# KiCad board AOML_AB_3.0_reorganized-v1.kicad_pcb (continued)
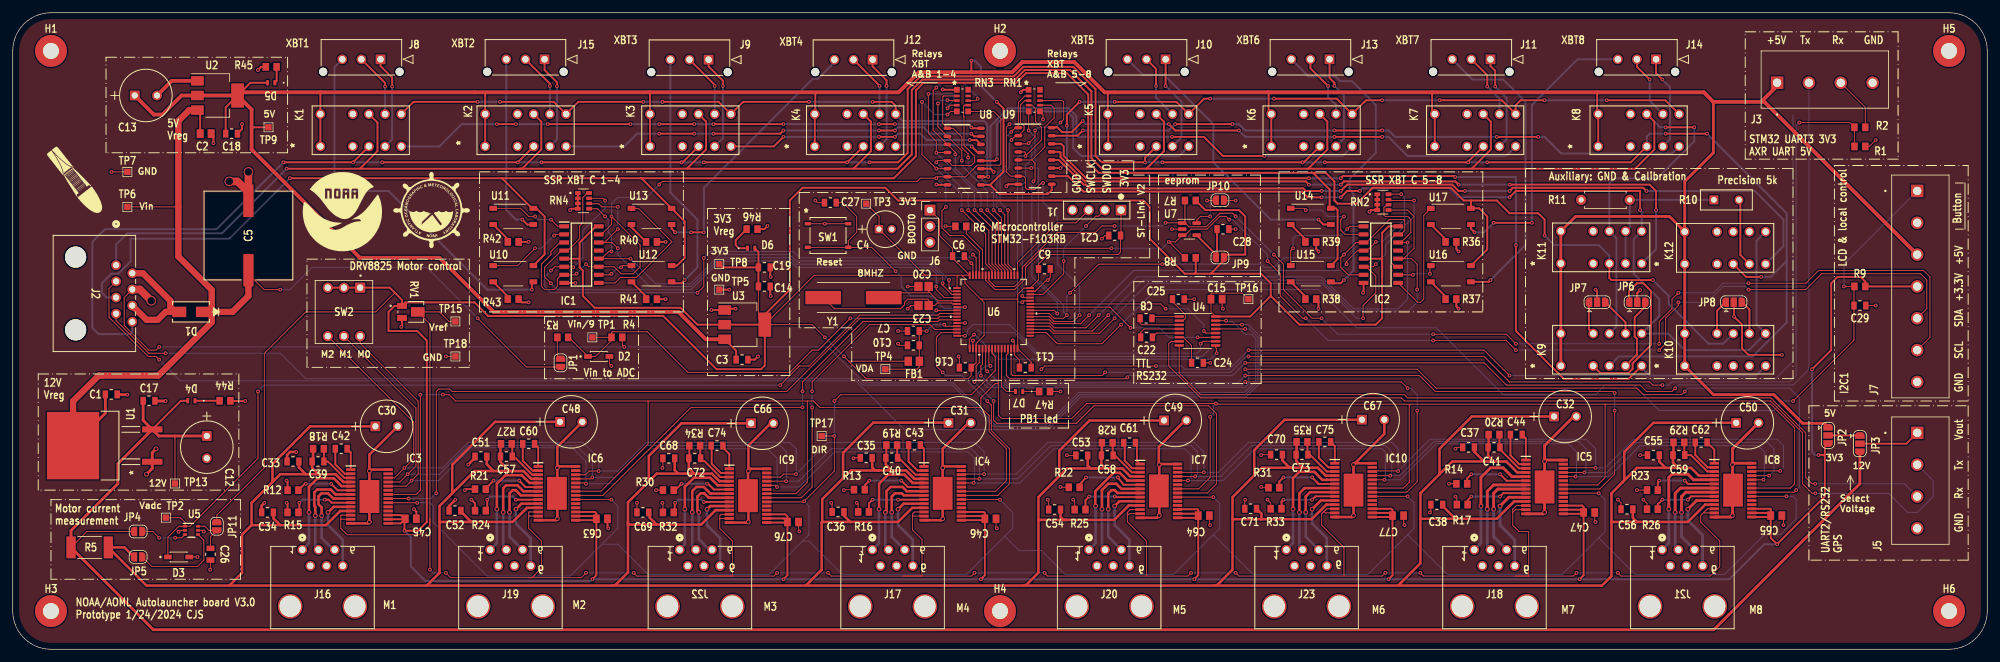
[diagram p0: board, top side]
## Library data of the parts (continued)
U6 = -: Description: STMicroelectronics Arm Cortex-M3 MCU, 128KB flash, 20KB RAM, 72 MHz, 2.0-3.6V, 51 GPIO, LQFP64; Cost: 7.5; Digikey: https://www.digikey.com/en/products/detail/stmicroelectronics/STM32F103RBT6TR/2122443; Part: STM32F103RBT6TR
U7 = -: Description: I2C Serial EEPROM, 1Kb (128x8) with Unique Serial Number, SOT-23-5; Cost: 0.16; Digikey: https://www.digikey.com/en/products/detail/microchip-technology/AT24C01D-STUM-T/4914368
U8 U9 = -: Description: High Voltage, High Current Darlington Transistor Arrays, SOIC16/SOIC16W/DIP16/TSSOP16; Cost: 0.46; Digikey: https://www.digikey.com/en/products/detail/texas-instruments/ULN2003ADR/277011?s=N4IgTCBcDa4JwDYC0BGAzAgHKpA5AIiALoC%2BQA; Field7: Designator9
U10-U17 = -: Description: MOSFET Photorelay 1-Form-A, Voff 60V, Ion 100mA, SOP6; Cost: 1.28; Digikey: https://www.digikey.com/en/products/detail/toshiba-semiconductor-and-storage/TLP170AM-TPL-E/12698771; Part: TLP170AM(TPL,E
Y1 = -: Description: Two pin crystal; Cost: 0.17; Digikey: https://www.digikey.com/en/products/detail/abracon-llc/ABLS-8-000MHZ-20-B-3-H-T/9997852; Part: ABLS-8.000MHZ-20-B-3-H-T

## Footprints (pads in the part's own frame, mm; a bottom-side part is the same pattern mirrored in y, then rotated)
CAP_CL21_SAM
  rect 0.856x1.25 smd: 1(-0.928,0) 2(0.928,0)
CAP_CL_21_SAM
  rect 1.067x1.346 smd: 1(-0.876,0) 2(0.876,0)
CAP_EEV_H13_PAN
  rect 5.105x1.6 smd: 1(-5.461,0) 2(5.461,0)
CAP_WCAP-ATG5_05.0X11.0_WRE
  rect 1.321x1.321 hole 0.813: 1(0,0)
  round 1.321 hole 0.813: 2(2,0)
CAPC2012X135N
  rect 1.1x1.38 smd: 1(-0.863,0) 2(0.863,0)
CAPC220145_88N_KEM
  rect 1.306x1.45 smd: 1(-0.803,0) 2(0.803,0)
CON_436500315_MOL
  round 1.27 hole 1.27 unplated: (-9,-1.96) (3,-1.96)
  rect 1.52x1.52 hole 1.02: 1(0,0)
  round 1.52 hole 1.02: 2(-3,0) 3(-6,0)
CONN_216548-1_TYC
  round 1.524 hole 1.016: 1(0,0) 2(1.27,2.54) 3(2.54,0) 4(3.81,2.54) 5(5.08,0) 6(6.35,2.54)
  round 3.861 hole 3.353: 7(-1.905,8.89) 8(8.255,8.89)
CONN_216550-1_TEC
  round 3.327 hole 3.327 unplated: (-1.27,-6.36) (10.16,-6.36)
  round 1.524 hole 0.965: 1(0,0) 2(1.27,2.54) 3(2.54,0) 4(3.81,2.54) 5(5.08,0) 6(6.35,2.54) 7(7.62,0) 8(8.89,2.54)
CONN_61300411121_WRE
  rect 1.651x1.651 hole 1.143: 1(0,0)
  round 1.651 hole 1.143: 2(2.54,0) 3(5.08,0) 4(7.62,0)
CR_SMA_320-340AE_DIO
  rect 2.184x1.626 smd: 1(-1.854,0) 2(1.854,0)
CUI_TB001-500-04BE
  rect 1.95x1.95 hole 1.3: 1(0,0)
  round 1.95 hole 1.3: 2(5,0) 3(10,0) 4(15,0)
CUI_TB001-500-07BE
  rect 1.95x1.95 hole 1.3: 1(0,0)
  round 1.95 hole 1.3: 2(5,0) 3(10,0) 4(15,0) 5(20,0) 6(25,0) 7(30,0)
D0016A_L
  oval 1.25x0.55 smd: 1(-2.625,4.445) 2(-2.625,3.175) 3(-2.625,1.905) 4(-2.625,0.635) 5(-2.625,-0.635) 6(-2.625,-1.905) 7(-2.625,-3.175) 8(-2.625,-4.445) 9(2.625,-4.445) 10(2.625,-3.175) 11(2.625,-1.905) 12(2.625,-0.635) 13(2.625,0.635) 14(2.625,1.905) 15(2.625,3.175) 16(2.625,4.445)
DCK0006A_L
  rect 0.65x0.4 smd: 1(-1.025,0.65) 2(-1.025,0) 3(-1.025,-0.65) 4(1.025,-0.65) 5(1.025,0) 6(1.025,0.65)
DPAK_BD2T-TR_STM
  rect 0.94x3.2 smd: 1(-2.54,-9.855) 2(2.54,-9.855)
  rect 10.592x8.204 smd: 3(0,2.578)
IND_25_0805_FRT
  rect 1.168x1.448 smd: 1(-0.876,0) 2(0.876,0)
LED_B1911PG--20D000514U1930_HVK
  rect 0.457x0.813 smd: 1(-0.572,0) 2(0.572,0)
LQFP64-10x10mm
  rect 1.194x0.305 smd: 1(-5.75,3.75) 2(-5.75,3.25) 3(-5.75,2.75) 4(-5.75,2.25) 5(-5.75,1.75) 6(-5.75,1.25) 7(-5.75,0.75) 8(-5.75,0.25) 9(-5.75,-0.25) 10(-5.75,-0.75) 11(-5.75,-1.25) 12(-5.75,-1.75) 13(-5.75,-2.25) 14(-5.75,-2.75) 15(-5.75,-3.25) 16(-5.75,-3.75) 33(5.75,-3.75) 34(5.75,-3.25) 35(5.75,-2.75) 36(5.75,-2.25) 37(5.75,-1.75) 38(5.75,-1.25) 39(5.75,-0.75) 40(5.75,-0.25) 41(5.75,0.25) 42(5.75,0.75) 43(5.75,1.25) 44(5.75,1.75) 45(5.75,2.25) 46(5.75,2.75) 47(5.75,3.25) 48(5.75,3.75)
  rect 0.305x1.194 smd: 17(-3.75,-5.75) 18(-3.25,-5.75) 19(-2.75,-5.75) 20(-2.25,-5.75) 21(-1.75,-5.75) 22(-1.25,-5.75) 23(-0.75,-5.75) 24(-0.25,-5.75) 25(0.25,-5.75) 26(0.75,-5.75) 27(1.25,-5.75) 28(1.75,-5.75) 29(2.25,-5.75) 30(2.75,-5.75) 31(3.25,-5.75) 32(3.75,-5.75) 49(3.75,5.75) 50(3.25,5.75) 51(2.75,5.75) 52(2.25,5.75) 53(1.75,5.75) 54(1.25,5.75) 55(0.75,5.75) 56(0.25,5.75) 57(-0.25,5.75) 58(-0.75,5.75) 59(-1.25,5.75) 60(-1.75,5.75) 61(-2.25,5.75) 62(-2.75,5.75) 63(-3.25,5.75) 64(-3.75,5.75)
MFSOP6-4_4.4x3.6mm_P1.27mm
  rect 1.2x0.8 smd: 1(-3.15,1.27) 3(-3.15,-1.27) 4(3.15,-1.27) 6(3.15,1.27)
MountingHole_2.5mm_Pad
  round 5 hole 2.5: 1(0,0)
PCAP_8x112_PAN
  rect 1.524x1.524 hole 0.965: 1(0,0)
  round 1.524 hole 0.965: 2(3.505,0)
PinHeader_1x03_P2.54mm_Vertical
  rect 1.7x1.7 hole 1: 1(0,0)
  oval 1.7x1.7 hole 1: 2(0,-2.54) 3(0,-5.08)
POT_TC33_3X3P8_BRN
  rect 0.94x1.549 smd: 1(-0.95,-1.384) 3(0.95,-1.384)
  rect 1.499x2.134 smd: 2(0,1.092)
R_Axial_DIN0207_L6.3mm_D2.5mm_P7.62mm_Horizontal
  round 1.6 hole 0.8: 1(0,0)
  oval 1.6x1.6 hole 0.8: 2(7.62,0)
RC0805N_YAG
  rect 1.016x1.219 smd: 1(-0.851,0) 2(0.851,0)
RELAY_TX2_L2_PAN
  round 1.524 hole 1.016: 1(0,0) 3(0,-5.08) 4(0,-7.62) 5(0,-10.16) 6(0,-12.7) 7(5.08,-12.7) 8(5.08,-10.16) 9(5.08,-7.62) 10(5.08,-5.08) 12(5.08,0)
RESC6331X89N
  rect 1.46x3.44 smd: 1(-2.926,0) 2(2.926,0)
RESCAXS80P320X160X70-8N
  rrect 0.9x0.61 smd: 1(-0.885,1.24) 4(-0.885,-1.24) 5(0.885,-1.24) 8(0.885,1.24)
  rrect 0.9x0.53 smd: 2(-0.885,0.4) 3(-0.885,-0.4) 6(0.885,-0.4) 7(0.885,0.4)
SMT_FS
  rect 0.953x0.559 smd: 1(-3.181,1.854) 2(3.181,1.854) 3(-3.181,-1.854) 4(3.181,-1.854)
SMT_JR-0710KL_YAG
  rect 0.889x0.914 smd: 1(-0.889,1.702) 5(-0.889,-1.702) 6(0.889,-1.702) 10(0.889,1.702)
  rect 0.889x0.406 smd: 2(-0.889,0.724) 3(-0.889,0) 4(-0.889,-0.724) 7(0.889,-0.724) 8(0.889,0) 9(0.889,0.724)
SOD3715X135N
  rect 1.21x0.73 smd: A(1.68,0) K(-1.68,0)
SOIC127P600X175-16N
  rect 1.525x0.65 smd: 1(-2.712,4.445) 2(-2.712,3.175) 3(-2.712,1.905) 4(-2.712,0.635) 5(-2.712,-0.635) 6(-2.712,-1.905) 7(-2.712,-3.175) 8(-2.712,-4.445) 9(2.712,-4.445) 10(2.712,-3.175) 11(2.712,-1.905) 12(2.712,-0.635) 13(2.712,0.635) 14(2.712,1.905) 15(2.712,3.175) 16(2.712,4.445)
SolderJumper-2_P1.3mm_Open_RoundedPad1.0x1.5mm
  custom 1x1.5 smd: 1(-0.65,0) 2(0.65,0)
SolderJumper-3_P1.3mm_Open_RoundedPad1.0x1.5mm
  custom 1.05x1.5 smd: 1(-1.3,0) 3(1.3,0)
  rect 1x1.5 smd: 2(0,0)
SOP65P640X120-29N
  rect 1.475x0.45 smd: 1(-2.938,4.225) 2(-2.938,3.575) 3(-2.938,2.925) 4(-2.938,2.275) 5(-2.938,1.625) 6(-2.938,0.975) 7(-2.938,0.325) 8(-2.938,-0.325) 9(-2.938,-0.975) 10(-2.938,-1.625) 11(-2.938,-2.275) 12(-2.938,-2.925) 13(-2.938,-3.575) 14(-2.938,-4.225) 15(2.938,-4.225) 16(2.938,-3.575) 17(2.938,-2.925) 18(2.938,-2.275) 19(2.938,-1.625) 20(2.938,-0.975) 21(2.938,-0.325) 22(2.938,0.325) 23(2.938,0.975) 24(2.938,1.625) 25(2.938,2.275) 26(2.938,2.925) 27(2.938,3.575) 28(2.938,4.225)
  rect 3.1x5.18 smd: 29(0,0)
SOT-23-5
  rrect 1.325x0.6 smd: 1(-1.137,0.95) 2(-1.137,0) 3(-1.137,-0.95) 4(1.137,-0.95) 5(1.137,0.95)
SOT-223-3_TabPin2
  rect 2x1.5 smd: 1(-3.15,2.3) 2(-3.15,0) 3(-3.15,-2.3)
  rect 2x3.8 smd: 2(3.15,0)
SW_DS01C-254-L-03BE
  round 1.58 hole 1: 1(-2.54,3.81) 2(0,3.81) 3(2.54,3.81) 4(2.54,-3.81) 5(0,-3.81)
  rect 1.58x1.58 hole 1: 6(-2.54,-3.81)
TestPoint_Pad_1.0x1.0mm
  rect 1x1 smd: 1(0,0)
TSSOP-16_4.4x5mm_P0.65mm
  rrect 1.475x0.4 smd: 1(-2.862,2.275) 2(-2.862,1.625) 3(-2.862,0.975) 4(-2.862,0.325) 5(-2.862,-0.325) 6(-2.862,-0.975) 7(-2.862,-1.625) 8(-2.862,-2.275) 9(2.862,-2.275) 10(2.862,-1.625) 11(2.862,-0.975) 12(2.862,-0.325) 13(2.862,0.325) 14(2.862,0.975) 15(2.862,1.625) 16(2.862,2.275)
XTAL_ABLS-8.000MHz-20-B-3-H-T
  rect 5.6x2.1 smd: 1(-4.75,0) 2(4.75,0)
Y1453_VIS
  rect 1.397x1.397 hole 0.889: 1(0,0)
  round 1.397 hole 0.889: 2(3.937,0)

## Nets
+3.3V: C4.1 C6.1 C9.1 C11.1 C14.1 C15.1 C16.1 C19.1 C21.1 C45.2 C46.2 C47.2 C63.2 C64.2 C65.2 C76.2 C77.2 D6.2 FB1.1 IC1.5 IC1.16 IC2.5 IC2.16 IC3.15 IC3.16 IC3.17 IC4.15 IC4.16 IC4.17 IC5.15 IC5.16 IC5.17 IC6.15 IC6.16 IC6.17 IC7.15 IC7.16 IC7.17 IC8.15 IC8.16 IC8.17 IC9.15 IC9.16 IC9.17 IC10.15 IC10.16 IC10.17 J1.1 J6.1 J7.4 JP2.3 JP9.2 JP11.1 R7.1 R8.1 R9.2 RV1.1 SW2.4 SW2.5 SW2.6 TP3.1 TP8.1 TP16.1 U3.2 U4.16 U6.1 U6.19 U6.32 U6.48 U6.64
+5V: C3.1 C13.1 C18.1 D5.2 J3.1 J7.3 JP2.1 K1.1 K1.12 K2.1 K2.12 K3.1 K3.12 K4.1 K4.12 K5.1 K5.12 K6.1 K6.12 K7.1 K7.12 K8.1 K8.12 K9.1 K9.12 K10.1 K10.12 K11.1 K11.12 K12.1 K12.12 TP9.1 U2.2 U3.3 U8.9 U9.9
+12V: C12.1 C17.1 D4.2 JP3.3 JP4.1 R5.2 TP13.1 U1.2
/+19.5V: C1.1 C2.1 C5.1 D1.1 JP1.2 TP6.1 U1.3 U2.3
/+19.5V_raw: D1.2 J2.2 J2.6
/VDDA: C7.1 C10.1 FB1.2 TP4.1 U6.13
GND: C1.2 C2.2 C3.2 C4.2 C5.2 C6.2 C7.2 C9.2 C10.2 C11.2 C12.2 C13.2 C14.2 C15.2 C16.2 C17.2 C18.2 C19.2 C20.2 C21.2 C23.2 C24.2 C25.2 C26.2 C27.1 C28.2 C29.2 C30.2 C31.2 C32.2 C33.1 C34.1 C35.1 C36.1 C37.1 C38.1 C45.1 C46.1 C47.1 C48.2 C49.2 C50.2 C51.1 C52.1 C53.1 C54.1 C55.1 C56.1 C63.1 C64.1 C65.1 C66.2 C67.2 C68.1 C69.1 C70.1 C71.1 C76.1 C77.1 D2.A D3.A IC1.8 IC2.8 IC3.14 IC3.28 IC3.29 IC4.14 IC4.28 IC4.29 IC5.14 IC5.28 IC5.29 IC6.14 IC6.28 IC6.29 IC7.14 IC7.28 IC7.29 IC8.14 IC8.28 IC8.29 IC9.14 IC9.28 IC9.29 IC10.14 IC10.28 IC10.29 J1.4 J2.4 J3.4 J5.4 J6.3 J7.2 J7.7 JP6.2 JP7.2 JP8.2 JP10.2 R1.2 R4.2 R11.1 R12.1 R13.1 R14.1 R15.1 R16.1 R17.1 R21.1 R22.1 R23.1 R24.1 R25.1 R26.1 R30.1 R31.1 R32.1 R33.1 R36.2 R37.2 R38.2 R39.2 R40.2 R41.2 R42.2 R43.2 R44.1 R45.1 R46.1 R47.1 RN1.1 RN2.1 RN2.2 RN2.3 RN2.4 RN3.1 RN4.1 RN4.2 RN4.3 RN4.4 RV1.3 SW1.1 SW1.2 TP5.1 TP7.1 TP18.1 U1.1 U2.1 U3.1 U4.15 U5.2 U5.5 U6.12 U6.18 U6.31 U6.47 U6.63 U7.2 U8.8 U9.8
/Din_fromComputer: J2.7 U4.13
/Din_fromGPS: J5.3 U4.8
/Dout_toComputer: J2.3 U4.14
/Dout_toGPS: J5.2 U4.7
/I2C1_SCL: J7.6 R7.2 U6.58 U7.1
/I2C1_SDA: J7.5 R8.2 U6.59 U7.3
/MotorControl/Mode_0: IC3.24 IC4.24 IC5.24 IC6.24 IC7.24 IC8.24 IC9.24 IC10.24 SW2.1
/MotorControl/Mode_1: IC3.25 IC4.25 IC5.25 IC6.25 IC7.25 IC8.25 IC9.25 IC10.25 SW2.2
/MotorControl/Mode_2: IC3.26 IC4.26 IC5.26 IC6.26 IC7.26 IC8.26 IC9.26 IC10.26 SW2.3
/MotorControl/Vref: IC3.12 IC3.13 IC4.12 IC4.13 IC5.12 IC5.13 IC6.12 IC6.13 IC7.12 IC7.13 IC8.12 IC8.13 IC9.12 IC9.13 IC10.12 IC10.13 RV1.2 TP15.1
/RelayControl/Reset1: K1.7 K2.7 K3.7 K4.7 U8.10
/RelayControl/Reset2: K5.7 K6.7 K7.7 K8.7 U9.11
/RelayControl/Reset3: K9.7 K10.7 K11.7 K12.7 U9.10
/RelayControl/XBT1_A: J8.1 K1.5
/RelayControl/XBT1_B: J8.2 K1.8
/RelayControl/XBT1_C: J8.3 U10.4
/RelayControl/XBT2_A: J15.1 K2.5
/RelayControl/XBT2_B: J15.2 K2.8
/RelayControl/XBT2_C: J15.3 U11.4
/RelayControl/XBT3_A: J9.1 K3.5
/RelayControl/XBT3_B: J9.2 K3.8
/RelayControl/XBT3_C: J9.3 U12.4
/RelayControl/XBT4_A: J12.1 K4.5
/RelayControl/XBT4_B: J12.2 K4.8
/RelayControl/XBT4_C: J12.3 U13.4
/RelayControl/XBT5_A: J10.1 K5.5
/RelayControl/XBT5_B: J10.2 K5.8
/RelayControl/XBT5_C: J10.3 U14.4
/RelayControl/XBT6_A: J13.1 K6.5
/RelayControl/XBT6_B: J13.2 K6.8
/RelayControl/XBT6_C: J13.3 U15.4
/RelayControl/XBT7_A: J11.1 K7.5
/RelayControl/XBT7_B: J11.2 K7.8
/RelayControl/XBT7_C: J11.3 U16.4
/RelayControl/XBT8_A: J14.1 K8.5
/RelayControl/XBT8_B: J14.2 K8.8
/RelayControl/XBT8_C: J14.3 U17.4
/SWCLK: J1.3 U6.49
/SWDIO: J1.2 U6.46
/UART1_RX: U4.12 U6.43
/UART1_TX: U4.11 U6.42
/UART2_RX: U4.9 U6.17
/UART2_TX: U4.10 U6.16
/UART3_RX: R1.1 R2.1 U6.30
/UART3_TX: J3.2 U6.29
DIR: IC3.20 IC4.20 IC5.20 IC6.20 IC7.20 IC8.20 IC9.20 IC10.20 TP17.1 U6.24
Enable_M1: IC3.21 U6.10
Enable_M2: IC6.21 U6.11
Enable_M3: IC9.21 U6.14
Enable_M4: IC4.21 U6.15
Enable_M5: IC7.21 U6.20
Enable_M6: IC10.21 U6.21
Enable_M7: IC5.21 U6.22
Enable_M8: IC8.21 U6.23
relay_cal_cont: RN1.4 U6.44 U9.4
relay_cal_res: RN1.7 U6.41 U9.5
relay_gnd_cond: RN1.8 U6.45 U9.3
relay_reset1: IC1.3 IC1.7 IC1.11 IC1.15 RN3.6 U6.61 U8.7
relay_reset2: IC2.3 IC2.7 IC2.11 IC2.15 RN1.5 U6.40 U9.6
relay_reset3: RN1.6 U6.39 U9.7
relay_xbt1: RN3.5 U6.57 U8.6
relay_xbt2: RN3.7 U6.56 U8.5
relay_xbt3: RN3.4 U6.55 U8.4
relay_xbt4: RN3.8 U6.54 U8.3
relay_xbt5: RN3.3 U6.53 U8.2
relay_xbt6: RN3.2 U6.52 U8.1
relay_xbt7: RN1.2 U6.51 U9.1
relay_xbt8: RN1.3 U6.50 U9.2
SSR_xbt1: IC1.4 RN4.8 U6.4
SSR_xbt2: IC1.14 RN4.6 U6.3
SSR_xbt3: IC1.12 RN4.5 U6.2
SSR_xbt4: IC1.6 RN4.7 U6.62
SSR_xbt5: IC2.4 RN2.8 U6.38
SSR_xbt6: IC2.14 RN2.6 U6.37
SSR_xbt7: IC2.12 RN2.5 U6.36
SSR_xbt8: IC2.6 RN2.7 U6.35
STEP: IC3.22 IC4.22 IC5.22 IC6.22 IC7.22 IC8.22 IC9.22 IC10.22 U6.26
Vmotor_out: C30.1 C31.1 C32.1 C33.2 C34.2 C35.2 C36.2 C37.2 C38.2 C39.1 C40.1 C41.1 C48.1 C49.1 C50.1 C51.2 C52.2 C53.2 C54.2 C55.2 C56.2 C57.1 C58.1 C59.1 C66.1 C67.1 C68.2 C69.2 C70.2 C71.2 C72.1 C73.1 IC3.4 IC3.11 IC4.4 IC4.11 IC5.4 IC5.11 IC6.4 IC6.11 IC7.4 IC7.11 IC8.4 IC8.11 IC9.4 IC9.11 IC10.4 IC10.11 JP5.1 R5.1 R18.2 R19.2 R20.2 R27.2 R28.2 R29.2 R34.2 R35.2
xbt_A: J2.8 K1.4 K2.4 K3.4 K4.4 K5.4 K6.4 K7.4 K8.4 K9.4 K12.4
xbt_B: J2.1 K1.9 K2.9 K3.9 K4.9 K5.9 K6.9 K7.9 K8.9 K9.9 K11.9
xbt_C: J2.5 K10.9 K11.4 U10.6 U11.6 U12.6 U13.6 U14.6 U15.6 U16.6 U17.6
Net-(D4-K): D4.1 R44.2
Net-(D5-K): D5.1 R45.2
Net-(D6-K): D6.1 R46.2
Net-(D7-A): D7.2 U6.27
Net-(D7-K): D7.1 R47.2
Net-(IC1-Q1): IC1.2 U10.1
Net-(IC1-Q2): IC1.9 U13.1
Net-(IC1-Q3): IC1.10 U12.1
Net-(IC1-Q4): IC1.1 U11.1
Net-(IC2-Q1): IC2.2 U14.1
Net-(IC2-Q2): IC2.9 U17.1
Net-(IC2-Q3): IC2.10 U16.1
Net-(IC2-Q4): IC2.1 U15.1
Net-(IC3-AOUT1): IC3.5 J16.1
Net-(IC3-AOUT2): IC3.7 J16.3
Net-(IC3-BOUT1): IC3.10 J16.6
Net-(IC3-BOUT2): IC3.8 J16.5
Net-(IC3-CP1): C42.2 IC3.1
Net-(IC3-CP2): C42.1 IC3.2
Net-(IC3-ISENA): IC3.6 R12.2
Net-(IC3-ISENB): IC3.9 R15.2
Net-(IC3-VCP): C39.2 IC3.3 R18.1
Net-(IC4-AOUT1): IC4.5 J17.1
Net-(IC4-AOUT2): IC4.7 J17.3
Net-(IC4-BOUT1): IC4.10 J17.6
Net-(IC4-BOUT2): IC4.8 J17.5
Net-(IC4-CP1): C43.2 IC4.1
Net-(IC4-CP2): C43.1 IC4.2
Net-(IC4-ISENA): IC4.6 R13.2
Net-(IC4-ISENB): IC4.9 R16.2
Net-(IC4-VCP): C40.2 IC4.3 R19.1
Net-(IC5-AOUT1): IC5.5 J18.1
Net-(IC5-AOUT2): IC5.7 J18.3
Net-(IC5-BOUT1): IC5.10 J18.6
Net-(IC5-BOUT2): IC5.8 J18.5
Net-(IC5-CP1): C44.2 IC5.1
Net-(IC5-CP2): C44.1 IC5.2
Net-(IC5-ISENA): IC5.6 R14.2
Net-(IC5-ISENB): IC5.9 R17.2
Net-(IC5-VCP): C41.2 IC5.3 R20.1
Net-(IC6-AOUT1): IC6.5 J19.1
Net-(IC6-AOUT2): IC6.7 J19.3
Net-(IC6-BOUT1): IC6.10 J19.6
Net-(IC6-BOUT2): IC6.8 J19.5
Net-(IC6-CP1): C60.2 IC6.1
Net-(IC6-CP2): C60.1 IC6.2
Net-(IC6-ISENA): IC6.6 R21.2
Net-(IC6-ISENB): IC6.9 R24.2
Net-(IC6-VCP): C57.2 IC6.3 R27.1
Net-(IC7-AOUT1): IC7.5 J20.1
Net-(IC7-AOUT2): IC7.7 J20.3
Net-(IC7-BOUT1): IC7.10 J20.6
Net-(IC7-BOUT2): IC7.8 J20.5
Net-(IC7-CP1): C61.2 IC7.1
Net-(IC7-CP2): C61.1 IC7.2
Net-(IC7-ISENA): IC7.6 R22.2
Net-(IC7-ISENB): IC7.9 R25.2
Net-(IC7-VCP): C58.2 IC7.3 R28.1
Net-(IC8-AOUT1): IC8.5 J21.1
Net-(IC8-AOUT2): IC8.7 J21.3
Net-(IC8-BOUT1): IC8.10 J21.6
Net-(IC8-BOUT2): IC8.8 J21.5
Net-(IC8-CP1): C62.2 IC8.1
Net-(IC8-CP2): C62.1 IC8.2
Net-(IC8-ISENA): IC8.6 R23.2
Net-(IC8-ISENB): IC8.9 R26.2
Net-(IC8-VCP): C59.2 IC8.3 R29.1
Net-(IC9-AOUT1): IC9.5 J22.1
Net-(IC9-AOUT2): IC9.7 J22.3
Net-(IC9-BOUT1): IC9.10 J22.6
Net-(IC9-BOUT2): IC9.8 J22.5
Net-(IC9-CP1): C74.2 IC9.1
Net-(IC9-CP2): C74.1 IC9.2
Net-(IC9-ISENA): IC9.6 R30.2
Net-(IC9-ISENB): IC9.9 R32.2
Net-(IC9-VCP): C72.2 IC9.3 R34.1
Net-(IC10-AOUT1): IC10.5 J23.1
Net-(IC10-AOUT2): IC10.7 J23.3
Net-(IC10-BOUT1): IC10.10 J23.6
Net-(IC10-BOUT2): IC10.8 J23.5
Net-(IC10-CP1): C75.2 IC10.1
Net-(IC10-CP2): C75.1 IC10.2
Net-(IC10-ISENA): IC10.6 R31.2
Net-(IC10-ISENB): IC10.9 R33.2
Net-(IC10-VCP): C73.2 IC10.3 R35.1
Net-(J3-Pin_3): J3.3 R2.2
Net-(J5-Pin_1): J5.1 JP3.2
Net-(J6-Pin_2): J6.2 R6.1
Net-(J7-Pin_1): C29.1 J7.1 R9.1 U6.34
Net-(JP1-A): JP1.1 R3.2
Net-(JP2-C): JP2.2 JP3.1
Net-(JP4-B): JP4.2 U5.3
Net-(JP5-B): JP5.2 U5.4
Net-(JP6-A): JP6.1 K9.3
Net-(JP6-B): JP6.3 K9.5
Net-(JP7-A): JP7.1 K9.10
Net-(JP7-B): JP7.3 K9.8
Net-(JP8-A): JP8.1 K10.10
Net-(JP8-B): JP8.3 K10.8
Net-(JP9-A): C28.1 JP9.1 U7.4
Net-(JP10-A): JP10.1 U7.5
Net-(JP11-B): C26.1 JP11.2 U5.6
Net-(K1--_1): K1.6 U8.16
Net-(K2--_1): K2.6 U8.15
Net-(K3--_1): K3.6 U8.14
Net-(K4--_1): K4.6 U8.13
Net-(K5--_1): K5.6 U8.12
Net-(K6--_1): K6.6 U8.11
Net-(K7--_1): K7.6 U9.16
Net-(K8--_1): K8.6 U9.15
Net-(K10--_1): K9.6 K10.6 U9.14
Net-(K11--_1): K11.6 U9.13
Net-(K11-NO_1): K11.5 K11.8 R10.1 R11.2
Net-(K12--_1): K12.6 U9.12
Net-(K12-NO_1): K12.5 R10.2
Net-(R36-Pad1): R36.1 U17.3
Net-(R37-Pad1): R37.1 U16.3
Net-(R38-Pad1): R38.1 U15.3
Net-(R39-Pad1): R39.1 U14.3
Net-(R40-Pad1): R40.1 U13.3
Net-(R41-Pad1): R41.1 U12.3
Net-(R42-Pad1): R42.1 U11.3
Net-(R43-Pad1): R43.1 U10.3
Net-(SW1-A): C27.2 SW1.3 SW1.4 U6.7
Net-(U4-C1+): C8.1 U4.1
Net-(U4-C1-): C8.2 U4.3
Net-(U4-C2+): C22.1 U4.4
Net-(U4-C2-): C22.2 U4.5
Net-(U4-VS+): C25.1 U4.2
Net-(U4-VS-): C24.1 U4.6
Net-(U6-BOOT0): R6.2 U6.60
Net-(U6-PC0): D2.K R3.1 R4.1 TP1.1 U6.8
Net-(U6-PC1): D3.K TP2.1 U5.1 U6.9
Net-(U6-PD0): C20.1 U6.5 Y1.1
Net-(U6-PD1): C23.1 U6.6 Y1.2

Pads without a net: H1 1; H2 1; H3 1; H4 1; H5 1; H6 1; IC1 13; IC2 13; IC3 18 19 23 27; IC4 18 19 23 27; IC5 18 19 23 27; IC6 18 19 23 27; IC7 18 19 23 27; IC8 18 19 23 27; IC9 18 19 23 27; IC10 18 19 23 27; J16 2 4 7 8; J17 2 4 7 8; J18 2 4 7 8; J19 2 4 7 8; J20 2 4 7 8; J21 2 4 7 8; J22 2 4 7 8; J23 2 4 7 8; K1 3 10; K2 3 10; K3 3 10; K4 3 10; K5 3 10; K6 3 10; K7 3 10; K8 3 10; K10 3 4 5; K11 3 10; K12 3 8 9 10; RN1 9 10; RN3 9 10; U6 25 28 33

## Via types
v1: diameter 0.6, hole 0.3, Top to Bottom, 506 vias
v2: diameter 0.75, hole 0.45, Top to Bottom, 50 vias
v3: diameter 1.5, hole 1.2, Top to Bottom, 3 vias

## Routing (per net, layer and track width the routed paths; a pad name or vN(x,y) marks a point on that pad's centre or on a via; arc(x,y) is an arc through that point)
+3.3V: length 1056.5
  Top w0.15: U4.16 188.12,53.01 C15.1 188.12,55.82 188.25,55.95 193.05,55.95 TP16.1 ; TP3.1 136,68 C4.1 143.25,58.75 145.5,58.75 ; 148.5,58.75 148.25,58.5 148.25,56.75 ; 149,58.75 150.25,58.75 ; 149,58.75 149.5,58.25 149.5,57.5 152,55 ; 149,58.75 145.5,58.75 ; J6.1 145.5,67.5 145.5,65 147.55,62.95 C6.1 147.55,61.45 U6.64 ; v1(127.5,49) 125.5,51 U3.2 ; 60,56 57,53 46,53 39.5,46.5 39.5,28.54 32.04,21.08 JP11.1 ; U3.2 125.83,58.75 145.5,58.75 ; U3.2 117.07,52.01 C14.1 ; v1(130.5,46) 131.25,45.25 ; 131.25,45.25 FB1.1 ; 131.25,45.25 134,42.5 150,42.5 150.47,42.97 C16.1 151.25,45.03 U6.19 151.25,48.05 152.5,49.3 152.5,54.5 152,55 ; J1.1 174,65.07 C21.1 173.93,62.43 173.5,62 162.52,62 161.05,60.53 C9.1 161.05,58.05 U6.48 158.75,56.75 157.78,55.78 157.78,55 ; 152,55 157.78,55 ; C11.1 159.9,45.1 U6.32 157.78,47.28 157.78,55
  Top w0.3: C47.2 246.2,21.93 IC5.16 ; C47.2 246.62,22.38 246.43,22.57 IC5.17 ; C47.2 246.4,21.28 IC5.15 ; C47.2 246.62,11.62 v1(246,11) ; C77.2 216.62,11.62 v1(216,11) ; C77.2 216.4,20.78 IC10.15 ; C77.2 216.62,21.88 216.43,22.07 IC10.17 ; C77.2 216.2,21.43 IC10.16 ; TP8.1 111.43,60 C19.1 ; IC2.16 216.01,66.44 215,65.44 215,58.5 ; C64.2 185.82,21.3 IC7.16 ; C64.2 186.12,11.62 v1(185.5,11) ; C64.2 186.12,21.88 186,22 182.93,22 IC7.17 ; C64.2 185.77,20.65 IC7.15 ; C65.2 275.57,21.43 IC8.16 ; C65.2 275.77,20.78 IC8.15 ; C65.2 276,22 275.93,22.07 IC8.17 ; C65.2 276,17.5 v1(277,16.5) 284.5,24 284.5,30.5 ; 188.08,59 190.18,61.11 JP9.2 190.63,62 193.5,62 193.5,68 192.5,69 187.23,69 R7.1 ; 188.08,59 196,59 197.5,57.5 197.5,55.5 ; 188.08,59 185.5,59 ; U3.2 118.08,52.58 122,56.5 122,70.5 124,72.5 137,72.5 139,70.5 177.5,70.5 178.5,69.5 178.5,64.5 184,59 185.5,59 ; U3.2 107.5,51 104.85,53.65 91.35,53.65 89.5,55.5 89.5,59.5 89,60 89,63.88 91.56,66.44 IC1.16 ; U3.2 118.08,44.58 117.5,44 110.5,44 102.15,52.35 74.65,52.35 72.5,54.5 61.67,54.5 RV1.1 ; C19.1 117.07,62.43 D6.2 ; C19.1 C14.1 ; v1(283.5,30.5) 284.5,30.5 ; 284.5,30.5 284.5,31.8 JP2.3 ; IC4.17 152.43,21.57 152.62,21.38 C46.2 ; C63.2 91.4,20.28 IC6.15 ; C63.2 91.62,21.38 91.43,21.57 IC6.17 ; C63.2 91.2,20.93 IC6.16 ; C63.2 91.62,11.62 v1(91,11) ; C76.2 121.07,20.55 IC9.16 ; C76.2 121.62,11.62 v1(121,11) ; C76.2 121.62,20.88 121.3,21.2 IC9.17 ; C76.2 121.53,19.9 IC9.15 ; IC2.5 215,61.36 215,58.5 ; 197.5,55.5 202,51 214,51 215,52 215,58.5 ; 197.5,55.5 194.28,52.28 U4.16 ; v1(282.5,44) 285.5,47 285.5,57.5 286.5,58.5 290.11,58.5 290.85,57.76 R9.2 J7.4 ; IC4.15 152.4,20.28 C46.2 ; C45.2 61.5,20.5 60.92,21.07 IC3.17 ; C45.2 60.9,19.78 IC3.15 ; C45.2 61.55,20.43 IC3.16 ; C45.2 61.5,20.38 v1(61.5,18.62) 63.62,18.62 65,20 65,48.5 63.5,50 59,50 59,53 59.95,53.95 RV1.1 ; C46.2 152.62,11.62 v1(152,11) ; C46.2 152.2,20.93 IC4.16 ; RV1.1 61.12,54.88 59.19,56.81 SW2.6 SW2.5 SW2.4 ; 185.5,59 185.73,59.23 R8.1 ; 88.87,61.36 IC1.5
  Bottom w0.15: v1(127.5,49) v1(130.5,46)
  Bottom w0.3: v1(277,16.5) 275,16.5 269.5,11 v1(246,11) v1(216,11) v1(185.5,11) v1(152,11) v1(121,11) v1(91,11) 90.75,10.75 64.75,10.75 62.5,13 62.5,17.62 v1(61.5,18.62) ; v1(283.5,30.5) 283,30.5 282.5,31 v1(282.5,44)
+5V: length 637.1
  Top w0.3: K3.1 K3.12 100.05,87.45 100,87.5 ; 197.17,87.5 197.17,84.5 K6.12 K6.1 ; 222.84,87.5 222.84,84.5 K7.12 K7.1 ; K2.1 K2.12 74.17,87.33 74,87.5 72.5,87.5 ; 153.46,72.96 155.55,75.05 155.55,84.95 v1(154.5,86) ; 153.46,72.96 U8.9 ; 153.46,72.96 154.92,71.5 162.5,71.5 163.12,72.12 U9.9 ; U3.3 113.57,46.91 C3.1 ; K4.1 K4.12 126,84.16 126,87.5 ; K8.1 K8.12 248.75,84.25 248.75,87.5 ; 173,87.5 172,87.5 171.92,87.42 K5.12 172,84 172,79.08 K5.1 ; C18.1 33.43,85.13 U2.2 37.3,89 D5.2 ; K1.1 K1.12 48.3,87.5 ; TP9.1 37.5,82 ; v1(150.5,92.5) 150.5,90.65
  Top w0.45: K12.12 K10.12 K10.1 267.02,40 276.5,40 281,35.5 284.4,35.5 JP2.1 ; K12.12 262.5,73.5 267,78 267,86 ; K12.12 260.1,68 245.37,68 K11.12 K9.12 K9.1
  Top w0.6: U2.2 37.5,84.8 37.5,78.5 37.51,78.5 54.51,61.5 67,61.5 75.5,53 104.5,53 108.8,48.7 U3.3 ; U2.2 35.8,87.5 139.08,87.5 142.23,90.65 156.9,90.65 158.5,92.25 166.67,92.25 171.42,87.5 265.5,87.5 267,86 274.5,86 ; U2.2 U2.2 26.5,87 23.5,84 22.15,84 C13.1 ; 274.5,86 277,88.5 J3.1 ; 274.5,86 275,86 J7.3
  Bottom w0.3: v1(150.5,92.5) 151,92.5 152,91.5 152,88.5 v1(154.5,86)
+12V: length 364.4
  Top w0.15: 25.5,33.51 25.47,33.47 TP13.1 ; 19.04,18.5 11.65,18.5 R5.2
  Top w0.3: U1.2 26.4,39.04 D4.2
  Top w0.45: C12.1 22.94,33.51 U1.2 ; U1.2 20.47,35.97 C17.1 ; U1.2 16.5,29.14 16.5,26 9.15,18.65 R5.2 22.07,3.07 267.07,3.07 290,26 JP3.3
/+19.5V: length 165.4
  Top w0.15: TP6.1 26,69.5 ; C5.1 37,58.95 39.45,56.5 v1(42,56.5) ; v1(73,52) 80.65,44.35 JP1.2
  Top w0.3: C2.1 29.42,84.28 U2.3
  Top w0.45: C1.1 14.54,37.07 U1.3
  Top w1: U2.3 27.7,84.7 26,83 26,61.7 31.24,56.46 31.24,53.66 30.59,53 ; C5.1 37,55.5 34.5,53 D1.1 30.59,53 ; 30.59,53 31.24,52.34 31.24,51.38 22.86,43 13.5,43 9.47,38.97 U1.3
  Bottom w0.15: v1(73,52) 65,60 47,60 43.5,56.5 v1(42,56.5)
/+19.5V_raw: length 18.6
  Top w1: J2.6 21.01,51.75 22.75,51.75 24,53 25.41,53 ; 25.41,53 24.76,53.66 24.76,54.74 20.43,59.07 J2.2 ; 25.41,53 D1.2
/VDDA: length 17.6
  Top w0.15: v1(143.5,50) C7.1 C10.1 142.33,45.27 FB1.2 142.35,44.38 141.98,44 TP4.1 ; U6.13 146.5,50.75 v1(146.25,51)
  Bottom w0.15: v1(146.25,51) 144.5,51 v1(143.5,50)
GND: length 812.7
  Top w0.15: R33.1 197.5,23 v1(197,23.5) ; v1(185.5,55) C25.2 ; v1(148.5,46) 148.62,45.88 C16.2 ; v1(248.5,20) 248.38,20.12 C47.1 ; C70.1 196.07,30.57 v1(196,30.5) ; C56.1 252.5,23 v1(252,23.5) ; v1(196,25.5) 196.11,25.39 R31.1 ; R13.1 130.57,25.07 v1(130.5,25) ; C10.2 139.25,47.75 v1(139,48) ; v1(192,70.5) 190.23,70.5 JP10.2 ; C54.1 162.64,23.36 v1(162.5,23.5) ; R30.1 v1(101,25) ; R1.2 291.5,79 v1(292.5,80) ; C7.2 v1(139,50) ; v1(26.04,18.46) 26.25,18.68 U5.2 ; v1(154.5,19) 154.38,19.12 C46.1 ; v1(194,47) 231,47 v1(235,43) ; SW1.2 v1(127.5,66.85) SW1.1 ; C29.2 v1(292.5,54) ; v1(30,18.5) 29.82,18.68 U5.5 ; v1(179.5,44.5) 162,44.5 v1(161.5,44) ; v1(193.5,23.5) 193.42,23.42 C71.1 ; R26.1 256.58,22.92 v1(256,23.5) ; v1(190,53.5) 189.88,53.62 C15.2 ; C69.1 v1(98,23) ; C26.2 31.04,12.54 v1(31,12.5) ; D2.A 93.68,44.82 v1(94,44.5) ; v1(102,23) 102.08,22.92 R32.1 ; v1(96,47.5) 95.7,47.8 R4.2 ; C65.1 277.75,20.75 278,20.5 v1(278,19.5) ; v1(165.5,30.5) 165.55,30.45 C53.1 ; R17.1 226.72,23.78 v1(226.5,24) ; C37.1 226.73,31.72 v1(226.5,31.5) ; v1(171,64.5) 171.5,65 C21.2 ; C55.1 v1(255.5,30.5) ; v1(166.5,23.5) 166.72,23.28 R25.1 ; v1(140.5,53.5) 141,54 C23.2 ; C6.2 v1(150.5,60.65) 150.75,60.4 U6.63 ; v1(132,30) 132.07,30.07 C35.1 ; C11.2 158.05,45.45 157.25,46.25 U6.31 157.25,48.25 v1(157,48.5) ; TP7.1 v1(15.5,75) ; C24.2 v1(188,45) ; v1(192,66) C28.2 ; C76.1 123.38,18.62 v1(123.5,18.5) ; v1(102,28.5) 102.07,28.57 C68.1 ; v1(132.5,23) 132.72,22.78 R16.1 ; v1(218.5,19.5) 218.38,19.62 C77.1 ; v1(190.5,51.62) U4.15 ; v1(128.5,23) 128.64,22.86 C36.1 ; R23.1 v1(255,25) ; v1(23,47.5) 22.5,47 21.38,47 17.5,50.88 17.5,55.26 J2.4 ; C38.1 222.64,21.64 v1(222.5,21.5) ; v1(149.5,51.25) U6.12 ; v1(164.5,25.5) 164.55,25.45 R22.1 ; v1(150.75,48.5) U6.18 ; U7.2 v1(182,66) ; U6.47 160.55,56.25 162.3,58 v1(162.5,58) 162.9,58.4 C9.2 ; v1(188,19.5) 187.88,19.62 C64.1 ; C20.2 v1(140.5,57) ; C27.1 126.33,70.17 v1(126,70.5) ; v1(164.5,40.5) R47.1 ; TP18.1 v1(68,46) ; D3.A v1(29,14.5) ; R14.1 v1(225.5,26)
  Top w0.3: C3.2 116.5,45.5 v1(117,46) ; R24.1 72.58,22.92 v1(72,23.5) ; R43.2 79.93,54.5 v1(81,54.5) ; v1(43,23) 43.15,22.85 R15.1 ; IC2.8 212.08,56.08 v1(212,56) ; v1(119,58.5) 118.93,58.57 C19.2 ; R44.1 34.21,39 v1(36.5,39) ; v1(93.5,19) 93.38,19.12 C63.1 ; R46.1 118,66 v1(118.5,66.5) ; v1(71,25) 71.16,25.16 R21.1 ; R39.2 204.65,62.85 v1(205,62.5) ; v1(109.7,53.3) U3.1 111.98,53.5 v1(113.5,53.5) ; v1(213,68.74) 213.26,69 RN2.4 RN2.1 ; v1(61,50.65) 61.12,50.77 RV1.3 ; v1(38.5,91) 39,91.5 R45.1 ; v1(255.49,56.42) 255.05,55.98 JP6.2 ; R12.1 43.15,26.35 v1(43,26.5) ; v1(119,55.5) 118.93,55.57 C14.2 ; JP8.2 270.25,54.47 v1(270.25,52.25) 271.5,51 271.5,47.25 272.5,46.25 v1(277.75,46.25) ; v1(158.25,87.5) 158.65,87.9 RN1.1 ; v1(112.5,56.5) TP5.1 ; v1(227,62.5) 226.65,62.85 R36.2 ; v1(81,64) R42.2 ; R37.2 226.65,53.85 v1(227,53.5) ; v1(102.5,64) R40.2 ; U8.8 145.04,72.96 v1(145,73) ; JP7.2 248.75,56.25 v1(248.5,56.5) ; v1(36,82.5) 36,81.71 C18.2 ; v1(156,72.75) 156.31,73.06 U9.8 ; R38.2 205,54.65 v1(205,53.5) ; v1(31.5,79.5) 31.5,80.65 C2.2 ; v1(87.5,69) 87.71,69.2 RN4.4 RN4.1 ; v1(102.5,55) R41.2 ; RN3.1 146.05,87.9 v1(146,87.95) ; v1(88.35,57.56) IC1.8 ; v1(63,22) 63.38,21.62 C45.1
  Top w0.4: IC6.28 85.72,28.72 v2(85.5,28.5) ; IC4.14 145.78,20.28 v2(146,20.5) v2(146,28.5) ; v2(146,28.5) 146,31.5 150.07,35.57 C31.2 ; v2(146,28.5) 146.22,28.72 IC4.28 ; C34.1 39.07,22.57 v1(39.5,23) ; C51.1 72.57,30.07 v1(71.5,29) ; C67.2 215.33,33.83 v2(210.5,29) ; v2(85.5,28.5) 85.5,31.81 C48.2 ; v2(85.5,28.5) 85.5,24.56 IC6.29 85.5,24.44 v2(85.5,20.5) 85.28,20.28 IC6.14 ; IC9.14 115.4,19.9 v2(115.5,20) 115.5,24.06 IC9.29 115.44,27.94 v2(115.5,28) ; v1(69.5,23.5) 68.5,22.5 C52.1 ; IC7.28 180.1,29.1 v2(180,29) ; v2(56,28) IC3.29 v2(56,20) 55.78,19.78 IC3.14 ; v2(56,28) 56.22,28.22 IC3.28 ; v2(56,28) 56,30.59 C30.2 ; v2(115.5,28) 115.85,28.35 IC9.28 ; v2(115.5,28) 115.5,32 119,35.5 C66.2 ; C33.1 43.07,30.53 43.55,31 v1(44.5,31) ; v2(180,29) 180,24.94 IC7.29 180,24.81 v2(180,21) 179.65,20.65 IC7.14 ; v2(180,29) 179.94,29.06 179.94,31.82 184.06,35.95 C49.2 ; IC10.28 210.73,29.22 v2(210.5,29) ; v2(210.5,29) IC10.29 v2(210.5,21) 210.27,20.78 IC10.14
  Top w0.45: v2(270,29) 270,25.08 IC8.29 270,24.92 v2(270,21) 269.77,20.78 IC8.14 ; v2(270,29) 270.23,29.22 IC8.28 ; v2(270,29) 270,31.5 274.07,35.57 C50.2 ; IC5.28 240.73,29.72 v2(240.5,29.5) ; v2(21,27.5) 21.9,28.4 U1.1 21.9,30.9 v2(22.5,31.5) ; C32.2 245.07,36.57 240.5,32 v2(240.5,29.5) ; v1(24,39) 22.36,39 C17.2 ; C1.2 16.44,40 v1(18,40) ; IC5.14 240.27,21.28 v2(240.5,21.5) IC5.29 v2(240.5,29.5)
  Top w0.6: C13.2 24.96,89.3 U2.1
  Top w1.2: J2.4 19.97,56.53 v3(21.75,54.75) ; v3(34,73.5) 35.29,73.5 37,71.79 C5.2 v3(37,75)
  Bottom w0.15: 151.5,50.25 152,49.75 157.25,49.75 160.5,46.5 ; v1(235,43) 256.4,43 256.9,42.5 276.75,42.5 279.5,45.25 279.5,84 ; v1(190.5,51.62) 190.62,51.5 191.5,51.5 193.5,49.5 194.5,49.5 195.15,48.85 195.15,42.14 193.36,40.35 167.36,40.35 162.36,35.35 154.15,35.35 147.65,41.85 133.65,41.85 128,47.5 v1(23,47.5) ; v1(194,47) 191,44 184,44 183.5,44.5 v1(179.5,44.5) ; 160.5,46.5 160.51,46.5 ; 160.5,46.5 161,46 186.75,46 187.75,47
